# Altium PCB Clocker.PCBDOC (part 1 of 2) (continued)
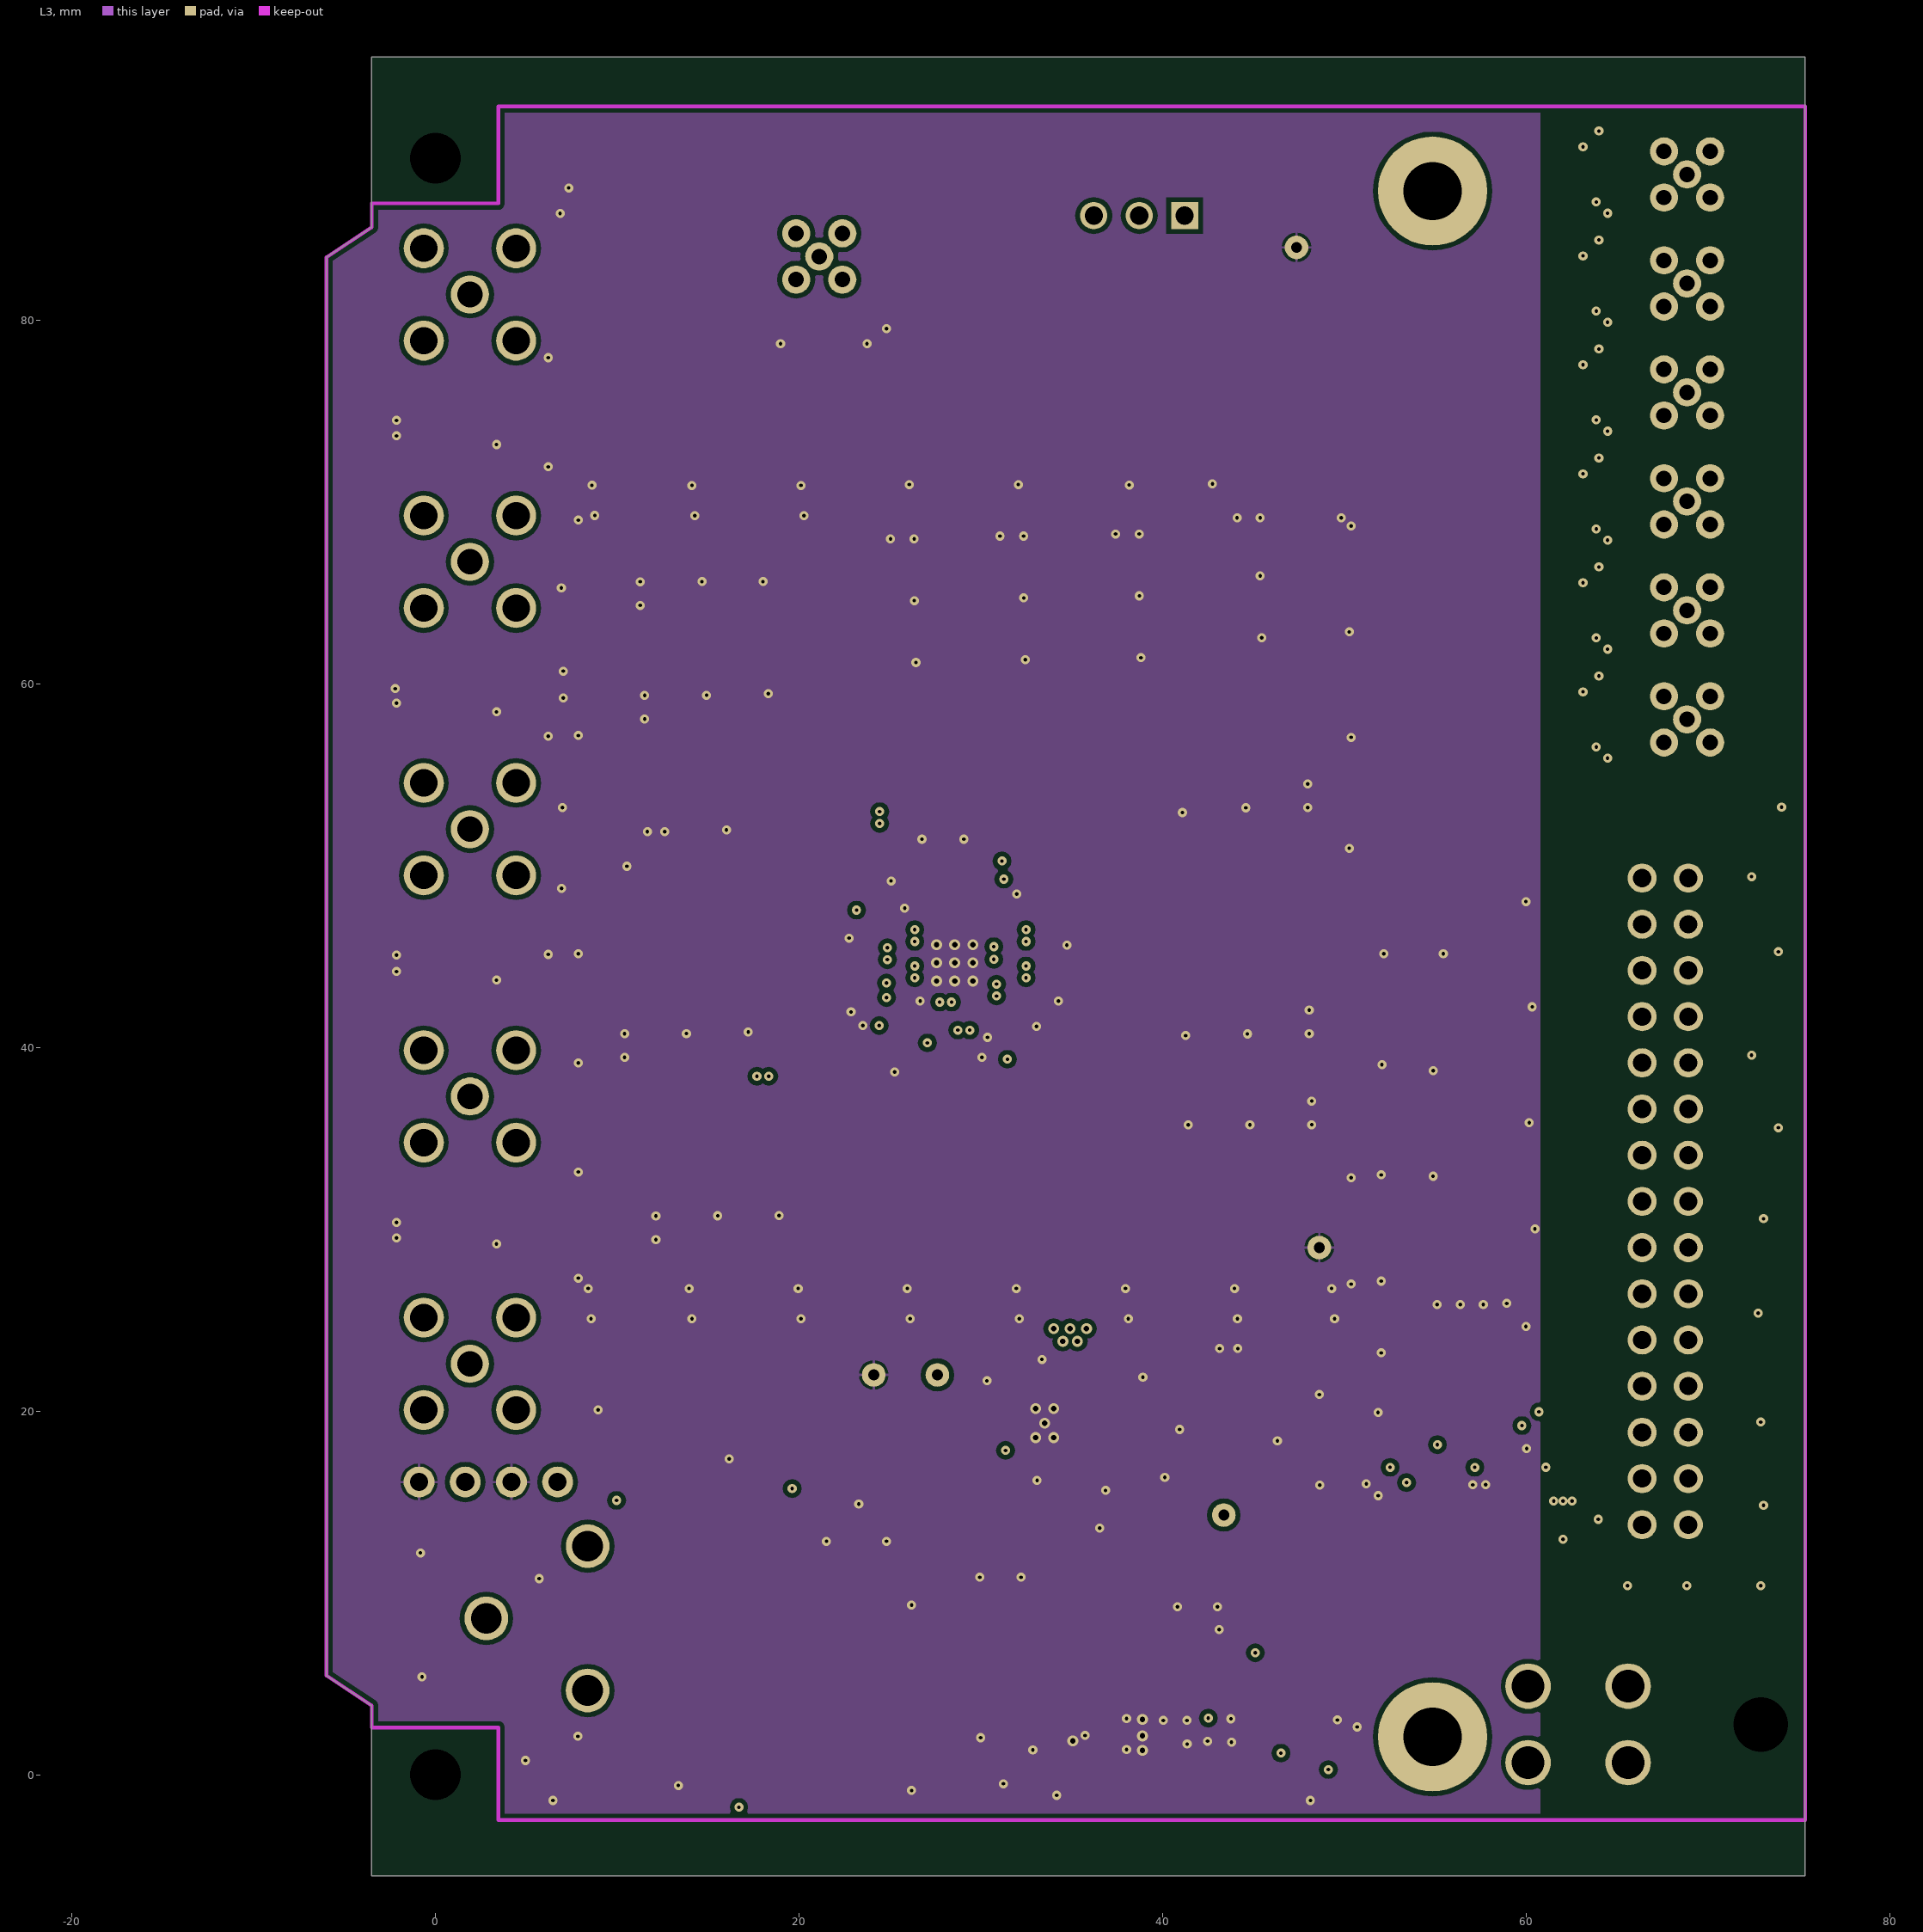
[diagram p3: L3]
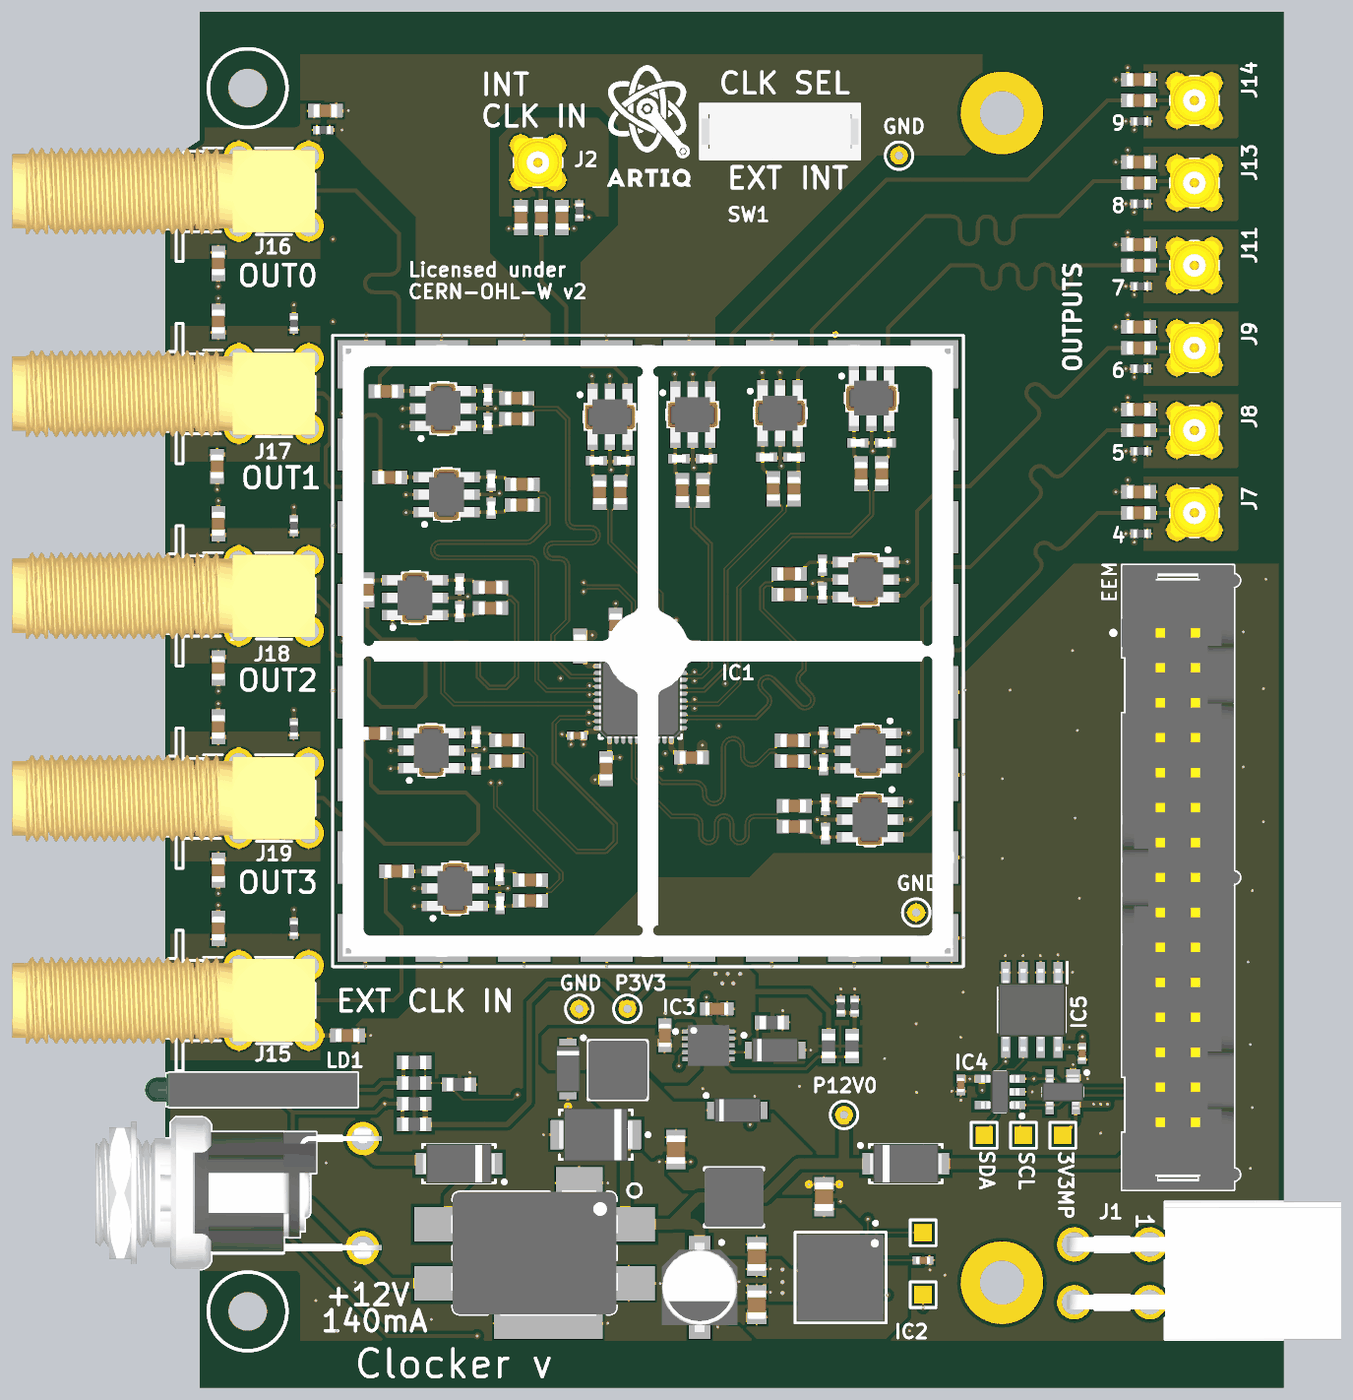
[diagram p5: 3D render of the assembled board from above, using the file's embedded part models]
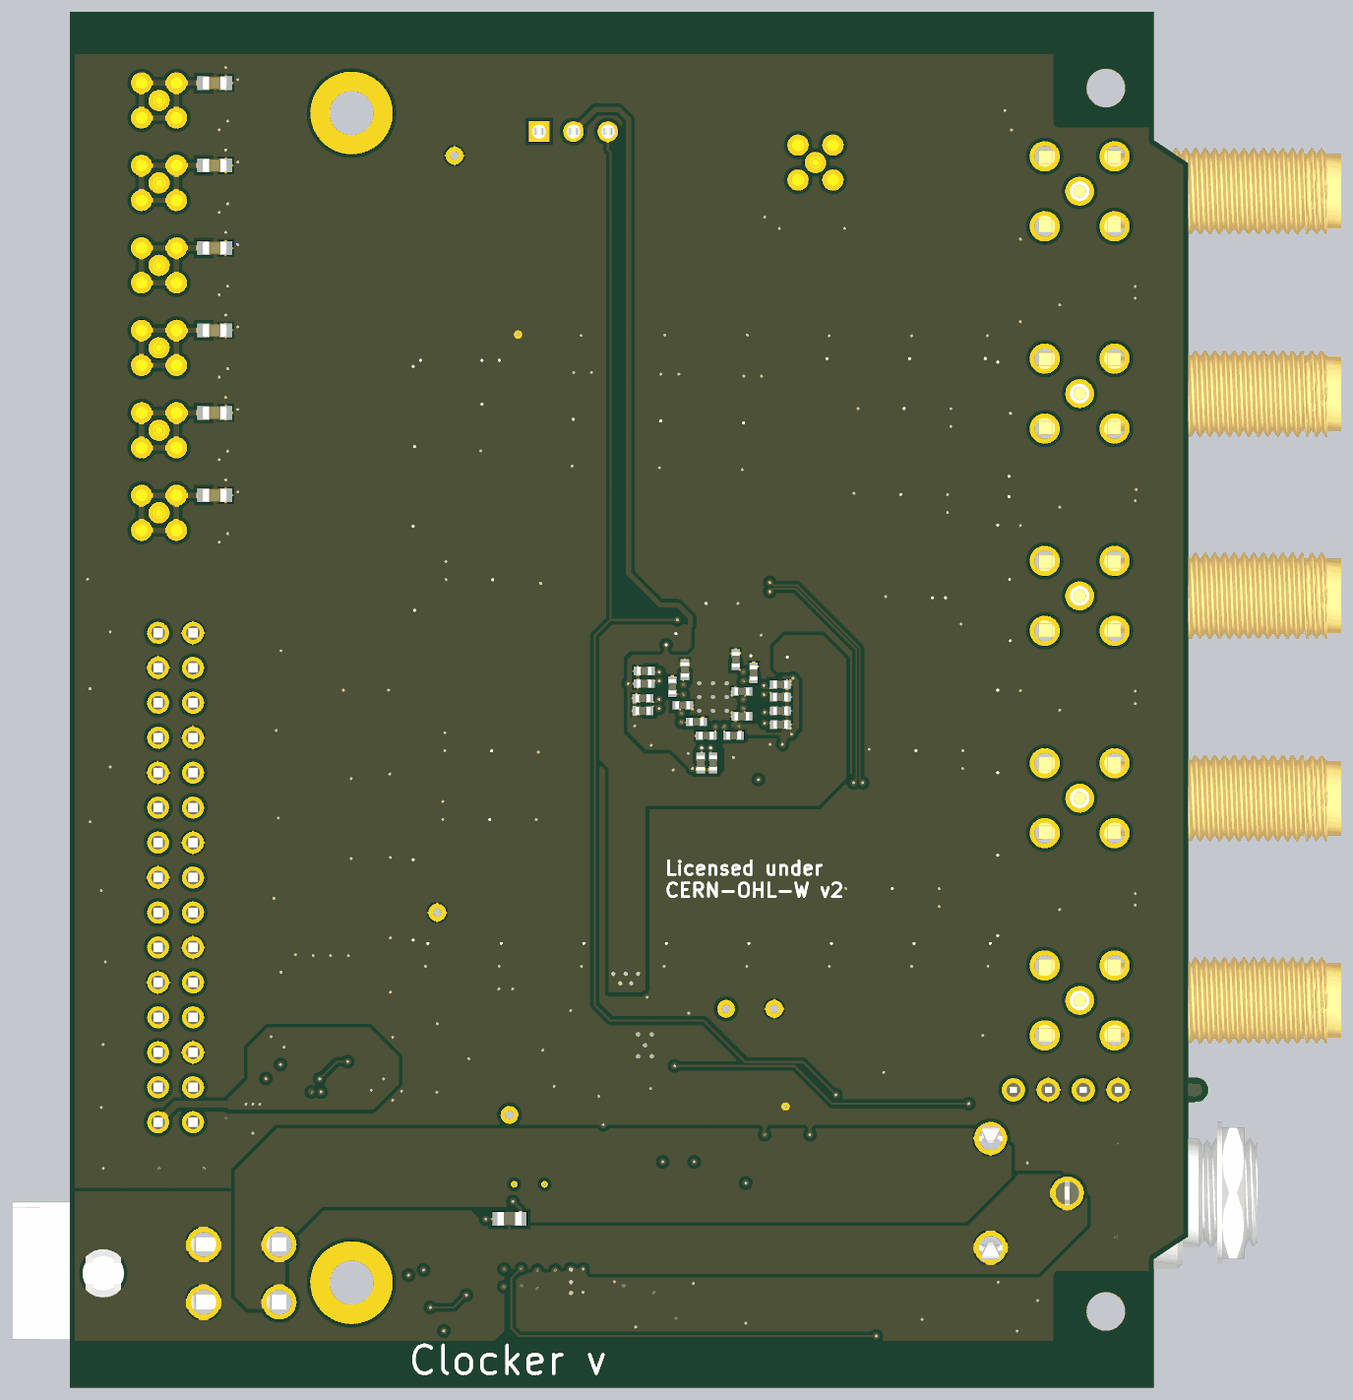
[diagram p6: 3D render of the assembled board from below, using the file's embedded part models]

## Layer stack, top to bottom
TopSolder: solder mask 0.0102, Solder Resist, Dk 3.5
Top: signal copper 0.056
Dielectric1: prepreg 0.18, FR-4, Dk 4.5
MP(G): plane copper 0.036, net GND
Dielectric 3: core 1.08, Dk 4.5
L3: signal copper 0.036
Dielectric 4: prepreg 0.18, Dk 4.5
Bot: signal copper 0.056
BottomSolder: solder mask 0.0102, Solder Resist, Dk 3.5

## Board outline
-3.5,3.8 -6,5.45 -6,83.45 -3.5,85.1 -3.5,94.45 75.336,94.45 75.336,-5.55 -3.5,-5.55

## Design rules (kind name [scope] priority, off if disabled: settings)
AcuteAngle [All] p1: minimum=6.00000000000000E+0001 checktracksonly=FALSE
Clearance Clearance_poly [InPolygon] p1: gap=0.254 ignorepadtopadclearanceinfootprint=FALSE
Clearance Clearance_50R [InNetClass('50_Ohms')] p2: gap=0.305 ignorepadtopadclearanceinfootprint=FALSE except(0: Track-Hole SMDPad-Hole THPad-Hole Via-Hole Fill-Hole Poly-Hole Region-Hole Text-Hole; 0.2: Arc-Arc Arc-Track Arc-SMDPad Arc-THPad Arc-Via Arc-Fill Arc-Hole Track-Track SMDPad-THPad THPad-THPad; 0.254: Track-SMDPad Track-THPad; 0.508: Track-Poly SMDPad-Poly)
Clearance Clearance_DIFF [(InDifferentialPairClass('All Differential Pairs'))] p3: gap=0.127 ignorepadtopadclearanceinfootprint=FALSE except(0: Arc-Hole Track-Hole SMDPad-Hole THPad-Hole Via-Hole Fill-Hole Poly-Hole Region-Hole Text-Hole; 0.254: Arc-Poly Track-Poly SMDPad-Poly THPad-Poly Via-Poly Fill-Poly Poly-Poly Poly-Region Poly-Text)
Clearance [All] p4: gap=0.127 ignorepadtopadclearanceinfootprint=FALSE except(0: Arc-Hole Track-Hole SMDPad-Hole THPad-Hole Via-Hole Fill-Hole Poly-Hole Region-Hole Text-Hole; 0.203: Arc-Poly Track-Poly SMDPad-Poly THPad-Poly Via-Poly Fill-Poly Poly-Poly)
ComponentClearance ComponentClearance_panel [(Identifier = 'Clocker-A01.iam.v1.1') OR ((ObjectKind = 'Component') And (Name Like 'WASHER*'))] p1: gap=-100 collisioncheckmode=3 verticalgap=-100 showdistances=FALSE
ComponentClearance ComponentClearance_cage [InComponent('MSBOX1') vs InComponent('MSBOXC1')] p2: gap=-100 collisioncheckmode=3 verticalgap=-100 showdistances=FALSE
ComponentClearance [All] p3: gap=0.254 collisioncheckmode=3 verticalgap=0.254 showdistances=FALSE
DiffPairsRouting [All] p1: maxlimit=0.127 minlimit=0.127 mostfreqgap=0.127 toplayer_minwidth=0.125 toplayer_maxwidth=0.125 toplayer_prefwidth=0.125 bottomlayer_minwidth=0.125 bottomlayer_maxwidth=0.125 bottomlayer_prefwidth=0.125 impedanceprofiledriven=TRUE impedanceprofileid={79132F12-A485-4A8C-A9B0-73EBA66FB6DB} impedanceprofilevalue=100.000000 maxuncoupledlength=12.7
FabricationTestPointUsage TestPointUsage [All] p1: valid=0 allowmultiple=FALSE
FabricationTestpoint Testpoint [All] p1: side=3 testpointundercomponent=TRUE minsize=1.016 maxsize=2.54 preferedsize=1.524 minholesize=0.508 maxholesize=1.016 preferedholesize=0.813 testpointgrid=0.025 allowsidetop=TRUE allowsidebottom=TRUE usegrid=TRUE gridtolerance=0
HoleSize [All] p1: absolutevalues=TRUE maxlimit=3.81 minlimit=0.025 maxpercent=80.000 minpercent=20.000
HoleToHoleClearance [All] p1: gap=0.025 allowstackedmicrovias=TRUE
MatchedLengths MatchedLengths_diff [InDifferentialPairClass('All Differential Pairs')] p1: tolerance=1 checknetsindiffpair=TRUE checkdiffpairvsdiffpair=FALSE checkxsignals=FALSE checkothers=FALSE
MatchedLengths MatchLengths_outputs [InxSignalClass('Outputs')] p2: tolerance=0.1 checknetsindiffpair=FALSE checkdiffpairvsdiffpair=TRUE checkxsignals=TRUE checkothers=TRUE
MinimumSolderMaskSliver [All] p1: minsoldermaskwidth=0
PlaneClearance [All] p1: clearance=0.254
PlaneConnect [All] p1: planeconnectstyle=Direct reliefexpansion=0.508 reliefentries=4 reliefconductorwidth=0.254 reliefairgap=0.254
PolygonConnect PolygonConnect_pad [(InPadClass('All Pads'))] p1: connectstyle=Relief reliefconductorwidth=0.152 reliefentries=4 polygonreliefangle="90 Angle" airgapwidth=0.152
PolygonConnect [All] p2: connectstyle=Direct reliefconductorwidth=0.254 reliefentries=4 polygonreliefangle="45 Angle" airgapwidth=0.254
RoomDefinition Clocker [InComponentClass('Clocker')] p1 off: confinementstyle=ConfineIn formatcopy=TRUE lockcomponents=FALSE outline 62.01,-3.662 244.759,-3.662 244.759,20.088 62.01,20.088
RoutingVias [All] p1: holewidth=0.2 width=0.5 viastyle="Through Hole" minholewidth=0.2 minwidth=0.5 maxholewidth=0.711 maxwidth=1.27
SilkToSilkClearance [All] p1: silktosilkclearance=0
SilkToSolderMaskClearance SilkscreenOverComponentPads [IsPad] p1: minsilkscreentomaskgap=0 clearancetoexposedcopper=TRUE
SolderMaskExpansion [All] p1: expansion=0.051 istentingtop=FALSE
SupplyNets "Schematic Supply Nets_5" [InNet('P3V3_MP')] p1: voltage=0.000
SupplyNets "Schematic Supply Nets_4" [InNet('P12V0')] p2: voltage=0.000
SupplyNets "Schematic Supply Nets_3" [InNet('INPUT_GND')] p3: voltage=0.000
SupplyNets "Schematic Supply Nets_2" [InNet('GND')] p4: voltage=0.000
SupplyNets "Schematic Supply Nets_1" [InNet('P3V6')] p5: voltage=0.000
SupplyNets "Schematic Supply Nets" [InNet('P3V3')] p6: voltage=0.000
ViasUnderSMD [InComponent('IC1')] p1: allowed=TRUE
Width Width_50R [InNetClass('50_Ohms')] p1: maxlimit=0.305 minlimit=0.288 preferedwidth=0.305 toplayer_maxwidth=0.288 toplayer_prefwidth=0.288 bottomlayer_maxwidth=0.288 bottomlayer_prefwidth=0.288 impedanceprofiledriven=TRUE impedanceprofileid={5014FDBB-E824-4D9B-B1E6-3338F3022B14} impedanceprofilevalue=50.000000 minimp=50.000000 maximp=50.000000 favimp=50.000000
Width [All] p2: maxlimit=1.27 minlimit=0.127 preferedwidth=0.203
19 further rules are at their usual default settings.

## Classes and differential pairs
net class 50_Ohms: EEM_CLK_OUT0 EEM_CLK_OUT1 EEM_CLK_OUT2 EEM_CLK_OUT3 EEM_CLK_OUT4 EEM_CLK_OUT5 EEM_CLK_OUT6 EEM_CLK_OUT7 EEM_CLK_OUT8 EEM_CLK_OUT9 NetC1_1 NetC1_2 NetC8_1 NetC8_2 NetC31_1 NetC38_1 NetC50_1 NetC55_1 NetC60_1 NetC67_1 NetC76_1 NetC82_1 NetC91_1 NetC97_1
differential pair IN_CLK1: +IN_CLK1_P -IN_CLK1_N
differential pair IN_CLK0: +IN_CLK0_P -IN_CLK0_N
differential pair EEM_OUT9: +EEM_OUT9_P -EEM_OUT9_N
differential pair EEM_OUT8: +EEM_OUT8_P -EEM_OUT8_N
differential pair EEM_OUT7: +EEM_OUT7_P -EEM_OUT7_N
differential pair EEM_OUT6: +EEM_OUT6_P -EEM_OUT6_N
differential pair EEM_OUT5: +EEM_OUT5_P -EEM_OUT5_N
differential pair EEM_OUT4: +EEM_OUT4_P -EEM_OUT4_N
differential pair EEM_OUT3: +EEM_OUT3_P -EEM_OUT3_N
differential pair EEM_OUT2: +EEM_OUT2_P -EEM_OUT2_N
differential pair EEM_OUT1: +EEM_OUT1_P -EEM_OUT1_N
differential pair EEM_OUT0: +EEM_OUT0_P -EEM_OUT0_N

## Components (designator, comment, footprint, x,y, rotation, side; value= is the part's Value field where it differs from the comment)
B1 "Plated Hole" c130h60 48.61,28.988 r0 top
B2 "Plated Hole" c130h60 47.36,83.988 r90 top
B3 "Plated Hole" c130h60 24.11,21.988 r90 top
B4 "Plated Hole" c130h60 27.61,21.988 r0 top
B5 "Plated Hole" c130h60 43.36,14.281 r0 top
C1 "10nF" CAPC1608X87N 10.845,31.988 r0 top
C2 "10nF" CAPC1608X87N 20.56,29.848 r0 top
C3 "0.5pF" CAPC1005X50N 18.36,29.647 r270 top
C4 "10nF" CAPC1608X87N -2.14,27.838 r90 top
C5 "10nF" CAPC1608X87N 20.56,31.348 r0 top
C6 "0.5pF" CAPC1005X50N 18.31,31.758 r270 top
C7 "10nF" CAPC1608X87N 7.26,20.06 r0 top
C8 "10nF" CAPC1608X87N 21.36,79.488 r270 top
C9 "10nF" CAPC1608X87N 25.59,59.513 r270 top
C10 "0.5pF" CAPC1005X50N 17.46,66.613 r270 top
C11 "10nF" CAPC1608X87N 19.575,66.363 r0 top
C12 "0.5pF" CAPC1005X50N 25.36,61.823 r180 top
C13 "10nF" CAPC1608X87N 22.86,79.488 r270 top
C14 "0.5pF" CAPC1005X50N 17.46,64.538 r270 top
C15 "10nF" CAPC1608X87N 27.09,59.513 r270 top
C16 "0.5pF" CAPC1005X50N 27.36,61.823 r180 top
C17 "10nF" CAPC1608X87N 19.86,79.488 r270 top
C18 "10nF" CAPC1608X87N 19.575,64.863 r0 top
C19 "0.5pF" CAPC1005X50N 17.71,60.363 r270 top
C20 "10nF" CAPC1608X87N 19.96,60.113 r0 top
C21 "0.5pF" CAPC1005X50N 17.71,58.363 r270 top
C22 "10nF" CAPC1608X87N 19.96,58.613 r0 top
C23 "10nF" CAPC1608X87N 29.06,49.848 r270 top
C24 "0.5pF" CAPC1005X50N 15.41,52.863 r270 top
C25 "10nF" CAPC1608X87N 17.66,52.613 r0 top
C26 "10nF" CAPC1608X87N -2.14,76.162 r270 top
C27 "0.5pF" CAPC1005X50N 15.41,50.863 r270 top
C28 "10nF" CAPC1608X87N 26.76,49.848 r270 top
C29 "10nF" CAPC1608X87N 17.66,51.113 r0 top
C30 "10nF" CAPC1608X87N 5.645,87.259 r180 top
C31 "10nF" CAPC1608X87N 10.075,66.863 r0 top
C32 "0.5pF" CAPC1005X50N 16.605,41.758 r270 top
C33 "10nF" CAPC1608X87N -2.14,71.938 r90 top
C34 "10nF" CAPC1608X87N 18.855,41.508 r0 top
C35 "0.5pF" CAPC1005X50N 16.605,39.758 r270 top
C36 "10nF" CAPC1608X87N -2.216,61.413 r90 top
C37 "10nF" CAPC1608X87N 18.855,40.008 r0 top
C38 "10nF" CAPC1608X87N 10.345,60.613 r0 top
C39 "10nF" CAPC1608X87N -2.14,46.762 r270 top
C40 "0.5pF" CAPC1005X50N 42.01,34.738 r90 top
C41 "10nF" CAPC1608X87N 39.745,35.238 r180 top
C42 "100nF" CAPC1005X55N 32.61,47.988 r270 top
C43 "10nF" CAPC1608X87N 26.06,39.448 r90 top
C44 "10nF" CAPC1608X87N 32.26,40.248 r180 top
C45 "10nF" CAPC1608X87N 24.16,48.348 r270 top
C46 "100nF" CAPC1005X55N 23.96,41.848 r0 top
C47 "10nF" CAPC1608X87N -2.14,57.238 r270 top
C48 "0.5pF" CAPC1005X50N 42.01,36.838 r90 top
C49 "10nF" CAPC1608X87N -2.14,32.062 r270 top
C50 "10nF" CAPC1608X87N 8.71,52.438 r90 top
C51 "10nF" CAPC1608X87N 39.745,36.738 r180 top
C52 "10nF" CAPC1608X87N -2.14,42.486 r270 top
C53 "0.5pF" CAPC1005X50N 41.86,39.738 r90 top
C54 "10nF" CAPC1608X87N 39.61,39.988 r180 top
C55 "10nF" CAPC1608X87N 9.22,42.008 r0 top
C56 "10nF" CAPC1608X87N 64.792,59.551 r180 top
C57 "0.5pF" CAPC1005X50N 41.86,41.738 r90 top
C58 "10nF" CAPC1608X87N 64.792,59.306 r0 bottom
C59 "10nF" CAPC1608X87N 39.61,41.488 r180 top
C60 "10nF" CAPC1608X87N 64.792,58.036 r180 top
C61 "10nF" CAPC1608X87N 64.792,65.299 r180 bottom
C62 "0.5pF" CAPC1005X50N 41.786,52.214 r90 top
C63 "10nF" CAPC1608X87N 39.375,52.098 r180 top
C64 "10nF" CAPC1608X87N 64.792,65.544 r0 top
C65 "0.5pF" CAPC1005X50N 41.786,54.214 r90 top
C66 "10nF" CAPC1608X87N 39.375,53.598 r180 top
C67 "10nF" CAPC1608X87N 64.792,64.029 r180 top
C68 "10nF" CAPC1608X87N 64.792,71.292 r180 bottom
C69 "22uF" CAPC2012X135N 37.01,0.488 r270 top
C70 "22uF" CAPC2012X135N 37.01,3.988 r90 top
C71 "22uF" CAPC2012X135N 41.91,8.338 r270 top
C72 "0.5pF" CAPC1005X50N 46.36,63.123 r180 top
C73 "10nF" CAPC1608X87N 64.792,71.536 r0 top
C74 "10nF" CAPC1608X87N 46.11,60.873 r270 top
C75 "10nF" CAPC1608X87N 64.792,77.285 r180 bottom
C76 "10nF" CAPC1608X87N 64.792,70.022 r180 top
C77 "0.5pF" CAPC1005X50N 44.36,63.123 r180 top
C78 "10nF" CAPC1608X87N 44.61,60.873 r270 top
C79 "10nF" CAPC1608X87N 64.792,77.529 r0 top
C80 "100nF" CAPC1005X55N 49.11,3.713 r180 top
C81 "0.5pF" CAPC1005X50N 39.735,62.073 r180 top
C82 "10nF" CAPC1608X87N 64.792,76.015 r180 top
C83 "10nF" CAPC1608X87N 64.792,83.522 r180 top
C84 "10nF" CAPC1608X87N 39.715,59.778 r270 top
C85 "22uF" CAPMP3216X180N 35.61,14.613 r0 top
C86 "22uF" CAPC2012X135N 31.135,11.763 r90 top
C87 "22uF" CAPAE530X540N 32.86,1.738 r270 top
C88 "0.5pF" CAPC1005X50N 37.735,62.073 r180 top
C89 "10nF" CAPC1608X87N 64.792,83.277 r0 bottom
C90 "10nF" CAPC1608X87N 38.215,59.778 r270 top
C91 "10nF" CAPC1608X87N 64.792,82.007 r180 top
C92 "10nF" CAPC1608X87N 64.792,89.27 r180 bottom
C93 "0.5pF" CAPC1005X50N 33.36,61.973 r180 top
C94 "10nF" CAPC1608X87N 33.11,59.663 r270 top
C95 "10nF" CAPC1608X87N 64.792,89.515 r0 top
C96 "0.5pF" CAPC1005X50N 31.36,61.973 r180 top
C97 "10nF" CAPC1608X87N 64.792,88 r180 top
C98 "10nF" CAPC1608X87N 31.61,59.663 r270 top
C99 "4.7uF" CAPC1608X90N 30.335,20.063 r90 top
C100 "4.7uF" CAPC1608X90N 34.11,21.988 r0 top
C101 "22uF" CAPMP3216X180N 38.36,18.988 r0 top
C102 "22uF" CAPMP3216X180N 23.285,17.613 r270 top
C103 "100nF" CAPC1005X55N 51.854,16.454 r90 top
C104 "100nF" CAPC1005X55N 60.678,18.741 r90 top
D1 "SMBJ15A" DIOM5336X265N 25.31,12.838 r180 top
D2 "SS16" DIOM5127X229N 15.36,10.738 r180 top
D3 "SS16" DIOM5127X229N 47.852,10.738 r0 top
D4 "PRTR5V0U2X" SOT190P230X110-4N 59.268,15.954 r270 top
FL1 "10A/50VDC" FIL_MURATA_BNX02 20.86,4.238 r0 top
IC1 "ADCLK950BCPZ" QFN50P600X600X100-41N-S305 28.56,44.648 r270 top locked
IC2 "LTM4623EV#PBF" LGA25C127P5X5_625X625X192 43.11,2.463 r270 top
IC3 "LT3045EDD#PBF" SON50P300X300X80-11N-R175X248 33.51,19.338 r0 top
IC4 "24AA02E48T-I/OT" SOT95P280X145-5N 54.709,15.954 r180 top
IC5 "24AA02E48T-I/SN" SOIC127P600X175-8N 57.015,21.916 r270 top
J1 "Mini-Fit Jr.™" MOLEX_39-30-0040 62.848,2.769 r270 top
J2 "MMCX-J-P-H-ST-TH1" SAMTEC_MMCX-J-P-H-ST-TH1 21.11,83.488 r90 top
J7 "MMCX-J-P-H-ST-TH1" SAMTEC_MMCX-J-P-H-ST-TH1 68.841,58.036 r0 top
J8 "MMCX-J-P-H-ST-TH1" SAMTEC_MMCX-J-P-H-ST-TH1 68.841,64.029 r180 top
J9 "MMCX-J-P-H-ST-TH1" SAMTEC_MMCX-J-P-H-ST-TH1 68.841,70.022 r0 top
J10 "" 3M_N2530-6002RB 67.638,31.53 r270 top
J11 "MMCX-J-P-H-ST-TH1" SAMTEC_MMCX-J-P-H-ST-TH1 68.841,76.015 r0 top
J12 "Jack" SWITCHCRAFT_712RA 2.8,8.6 r270 top
J13 "MMCX-J-P-H-ST-TH1" SAMTEC_MMCX-J-P-H-ST-TH1 68.841,82.007 r0 top
J14 "MMCX-J-P-H-ST-TH1" SAMTEC_MMCX-J-P-H-ST-TH1 68.841,88 r0 top
J15 "SMA" DELOCK_65848 1.9,22.6 r180 top locked
J16 "SMA" DELOCK_65848 1.9,81.4 r180 top locked
J17 "SMA" DELOCK_65848 1.9,66.7 r180 top locked
J18 "SMA" DELOCK_65848 1.9,52 r180 top locked
J19 "SMA" DELOCK_65848 1.9,37.3 r180 top locked
L1 "6.8uH" IND_COILCRAFT_XAL4030#1 35.36,8.288 r270 top
L2 "6.8uH" IND_COILCRAFT_XAL4030#2 26.91,17.538 r90 top
LD1 "Green/Green" LED_DIALIGHT_571-0122F -0.9,16.1 r0 top
MSBOX1 "Metal Screening Box 28 Pins" MSBOX_LAIRD_BMI-S-207-F 29.11,47.988 r0 top locked
MSBOXC1 "Top Cover" MSBOX_LAIRD_BMI-S-207-C 135.15,227.488 r90 top locked
R1 "0" RESC1005X40N 3.36,27.838 r270 top
R2 "0" RESC1005X40N 24.11,79.988 r90 top
R3 "200" RESC1005X40N 33.56,46.548 r0 bottom
R4 "200" RESC1005X40N 33.56,45.619 r0 bottom
R5 "200" RESC1005X40N 30.61,46.638 r90 bottom
R6 "1k2" RESC1608X55N 15.36,16.488 r0 top
R7 "200" RESC1005X40N 31.51,45.398 r90 bottom
R8 "200" RESC1005X40N 33.66,44.548 r0 bottom
R9 "200" RESC1005X40N 33.66,43.648 r0 bottom
R10 "1k2" RESC1608X55N 12.11,18.088 r0 top
R11 "200" RESC1005X40N 30.76,44.048 r180 bottom
R12 "200" RESC1005X40N 29.76,42.848 r180 bottom
R13 "1k2" RESC1608X55N 12.11,16.588 r0 top
R14 "0" RESC1005X40N 5.5,85.851 r180 top
R15 "200" RESC1005X40N 29.46,39.848 r270 bottom
R16 "1k2" RESC1608X55N 12.11,15.088 r0 top
R17 "200" RESC1005X40N 28.56,39.848 r270 bottom
R18 "1k2" RESC1608X55N 12.11,13.588 r0 top
R19 "200" RESC1005X40N 29.06,41.848 r0 bottom